# Altium PCB Mainboard.PcbDoc (continued)
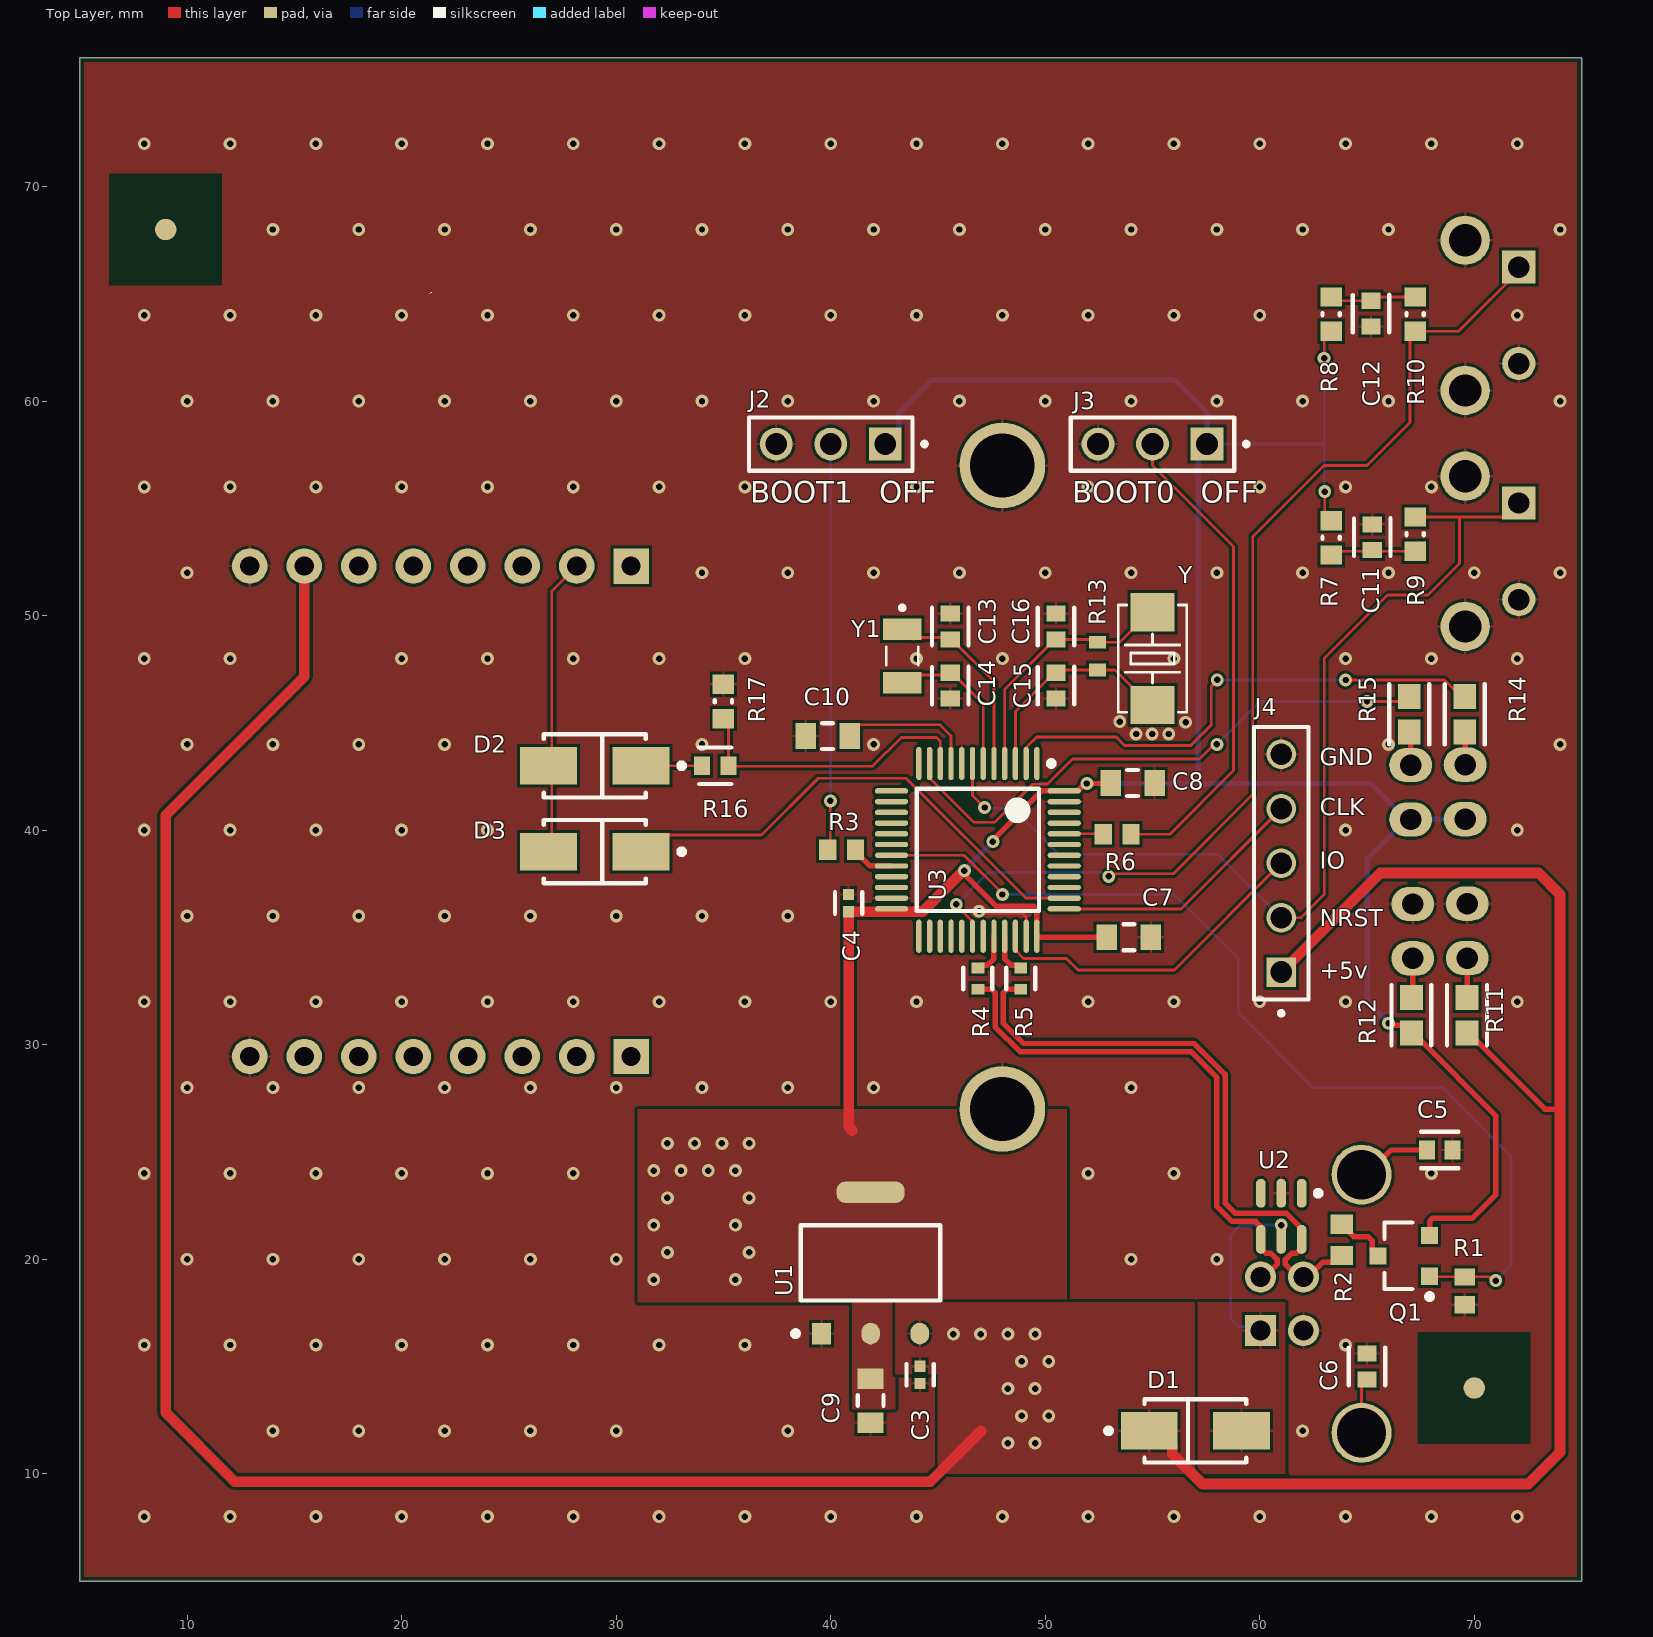
[diagram p0: Top Layer view]
## Components (designator, comment, footprint, x,y, rotation, side; value= is the part's Value field where it differs from the comment) (continued)
U3 "STM32F103C8T6" STM-LQFP48_L 46.86,39.08 r270 top
Y "8MHz" X2-SMD-5.0X3.2X1.3MM 55,48 r90 top
Y1 "32.768KHz" XTAL_NX3215SA-32.768K-STD-MUA-14 43.333,48.112 r270 top

## Footprints (in the part's own frame and the unit in brackets; to place one, negate y for a bottom-side part, rotate by r counter-clockwise, add the part's x,y. Pads: shape width x height; smd on the part's side, far side on the other; paste and mask are expansions set on the pad)
AO-SOT-23-3L_V [mm] "SOT23, 3-Leads, Body 3.1x1.8mm, Pitch 0.95mm"
  rect 0.8x0.8 smd: 1(-1.2,0.95) 2(-1.2,-0.95) 3(1.2,0)
  silkscreen extent -1.33,-1.55 0.9,2.02, body extent -1.5,-1.55 1.5,1.55, height 1.25
ASSM-A-USBSB-4_V [mm] "USB-B, 4-Leads, Body 16.5x12.04mm"
  rect 1.45x1.45 hole 0.92: 1(1.25,2.355)
  round 1.45 hole 0.92: 2(-1.25,2.355) 3(-1.25,0.355) 4(1.25,0.355)
  round 2.8 hole 2.3: 5(6.02,-2.355) 6(-6.02,-2.355)
  silkscreen extent -6.02,-12.63 6.02,4.64, body extent -6.02,-12.63 6.02,3.87, height 11.05
FP-403AE-MFG [mm]
  rect 2.65x1.75 smd paste+0 mask+0: 1(-2.15,0) 2(2.15,0)
  silkscreen extent -2.37,-1.48 4.17,1.48, body extent -2.6,-1.36 2.6,1.36, height 2.5
FP-AMS1117-IPC_C [mm]
  rect 1.004x0.872 smd paste+0 mask+0: 1(-3.295,2.29)
  rrect100% 1.004x0.872 smd paste+0 mask+0: 2(-3.295,0) 3(-3.295,-2.29)
  rrect87% 1.004x3.182 smd paste+0 mask+0: 4(3.295,0)
  silkscreen extent -3.42,-3.25 1.75,3.62, body extent -3.9,-3.35 3.9,3.35, height 0.25
FP-B3F-3122-MFG [mm]
  rect 1.55x1.55 hole 1 paste-2539.97 mask+0: 1(-2.25,-0.075)
  round 1.55 hole 1 paste-2539.97 mask+0: 2(2.25,-0.075)
  round 2.3 hole 1.5 paste-2539.97 mask+0: 3(-3.5,2.425) 4(3.5,2.425)
  silkscreen extent -4.87,-4.43 3.85,4.43, body extent -4.34,-3.93 4.34,3.93, height 7.8
FP-C0402-BB-MFG [mm]
  rect 0.52x0.52 smd paste+0 mask+0: 1(-0.4,0) 2(0.4,0)
  silkscreen extent -0.5,-0.64 0.5,0.64, body extent -0.8,-0.4 0.8,0.4, height 0.25
FP-C0603C-CF-MFG [mm]
  rect 0.75x0.9 smd paste+0 mask+0: 1(-0.6,0) 2(0.6,0)
  silkscreen extent -0.87,-0.85 0.88,0.85, body extent -1.2,-0.6 1.2,0.6, height 0.25
FP-CGA3E-0_3-0_1-IPC_A [mm]
  rect 0.956x1.206 smd paste+0 mask+0: 1(-1.025,0) 2(1.025,0)
  silkscreen extent -0.25,-0.6 0.25,0.6, body extent -2,-1.1 2,1.1, height 0.25
FP-CRCW0603-e3-IPC_C [mm]
  rect 0.735x0.862 smd paste+0 mask+0: 1(-0.615,0) 2(0.615,0)
  silkscreen extent -0.75,-0.85 0.75,0.85, body extent -1.08,-0.58 1.08,0.58, height 0.25
FP-CRCW0603-HPe3-IPC_A [mm]
  rect 1.158x1.062 smd paste+0 mask+0: 1(-0.827,0) 2(0.827,0)
  silkscreen extent -1.41,-0.93 1.41,0.93, body extent -1.91,-1.03 1.91,1.03, height 0.25
FP-OS-CON-SMT-F12-MFG [mm]
  rect 4.4x1.9 smd paste+0 mask+0: 1(-4.35,0) 2(4.35,0)
  silkscreen extent -7.25,-5.25 5.25,5.25, body extent -5.5,-5.15 5.5,5.15, height 12.71
FP-RC0402-0_4-MFG [mm]
  rect 0.5x0.6 smd: 1(-0.5,0) 2(0.5,0)
  silkscreen extent -0.5,-0.67 0.5,0.67, body extent -0.85,-0.4 0.85,0.4, height 0.25
LED_HOLDER [mm]
  oval 1.6x2 hole 1: 1(-0.948,1.286) 2(1.588,1.286) 3(-0.965,-1.254) 4(1.571,-1.254)
  silkscreen extent -2.35,-2.7 2.93,9.05, body extent -1.85,-1.56 2.47,9.17, height 9.65
"MIKROBUS HOST CONN 8gen TH" [mil]
  rect 65x65 hole 35: 1(-450,350) 16(450,350)
  round 65 hole 35: 2(-450,250) 3(-450,150) 4(-450,50) 5(-450,-50) 6(-450,-150) 7(-450,-250) 8(-450,-350) 9(450,-350) 10(450,-250) 11(450,-150) 12(450,-50) 13(450,50) 14(450,150) 15(450,250)
  silkscreen extent -565,-602 535,584, body extent -497,-501 504,401, height 434
NXP-SOT457_L [mm] "SOP, 6-Leads, Body 3.1x1.7mm, Pitch 0.95mm, IPC High Density"
  oval 1.35x0.45 smd: 1(-1.075,0.95) 2(-1.075,0) 3(-1.075,-0.95) 4(1.075,-0.95) 5(1.075,0) 6(1.075,0.95)
  silkscreen extent -1.2,1.6 -0.95,1.85, body extent -0.85,-1.55 0.85,1.55, height 1.1
RESC0603(1608)_N [mm] "Chip Resistor, Body 1.6x0.8mm, IPC Medium Density"
  rect 0.9x1 smd: 1(-0.8,0) 2(0.8,0)
  silkscreen extent -0.05,-0.4 0.05,0.4, body extent -0.85,-0.47 0.85,0.47, height 0.6
RESC1608X55X25LL10T15 [mm] "Chip Resistor, 2-Leads, Body 1.70x0.90mm, IPC High Density"
  rect 0.6x0.8 smd: 1(-0.65,0) 2(0.65,0)
  body extent -0.85,-0.45 0.85,0.45, height 0.55
RESC1608X55X30ML15T15 [mm] "Chip Resistor, 2-Leads, Body 1.60x0.80mm, IPC Low Density"
  rect 0.9x1.05 smd: 1(-0.725,0) 2(0.725,0)
  body extent -0.87,-0.48 0.87,0.48, height 0.55
RESC1609X50X30NL8T20 [mm] "Chip Resistor, 2-Leads, Body 1.65x0.95mm, IPC Medium Density"
  rect 0.8x0.95 smd: 1(-0.65,0) 2(0.65,0)
  body extent -0.82,-0.48 0.82,0.48, height 0.5
SAMTEC_HMTSW-103-XX-X-S-XXX [mm]
  rect 1.53x1.53 hole 1.02: 01(2.54,0)
  round 1.53 hole 1.02: 02(0,0) 03(-2.54,0)
  silkscreen extent -3.81,-1.24 4.47,1.24
SAMTEC_MTSW-105-24-L-S-236 [mm]
  rect 1.37x1.37 / inner round 1.37 / far side rect 1.37x1.37 hole 1.02: 01(5.08,0)
  round 1.37 hole 1.02: 02(2.54,0) 03(0,0) 04(-2.54,0) 05(-5.08,0)
  silkscreen extent -6.35,-1.27 7.1,1.27
STM-LQFP48_L [mm] "QFP, 48-Leads, Body 7x7mm, Pitch 0.5mm, IPC High Density"
  oval 1.55x0.25 smd: 1(-4.025,2.75) 2(-4.025,2.25) 3(-4.025,1.75) 4(-4.025,1.25) 5(-4.025,0.75) 6(-4.025,0.25) 7(-4.025,-0.25) 8(-4.025,-0.75) 9(-4.025,-1.25) 10(-4.025,-1.75) 11(-4.025,-2.25) 12(-4.025,-2.75) 25(4.025,-2.75) 26(4.025,-2.25) 27(4.025,-1.75) 28(4.025,-1.25) 29(4.025,-0.75) 30(4.025,-0.25) 31(4.025,0.25) 32(4.025,0.75) 33(4.025,1.25) 34(4.025,1.75) 35(4.025,2.25) 36(4.025,2.75)
  oval 0.25x1.55 smd: 13(-2.75,-4.025) 14(-2.25,-4.025) 15(-1.75,-4.025) 16(-1.25,-4.025) 17(-0.75,-4.025) 18(-0.25,-4.025) 19(0.25,-4.025) 20(0.75,-4.025) 21(1.25,-4.025) 22(1.75,-4.025) 23(2.25,-4.025) 24(2.75,-4.025) 37(2.75,4.025) 38(2.25,4.025) 39(1.75,4.025) 40(1.25,4.025) 41(0.75,4.025) 42(0.25,4.025) 43(-0.25,4.025) 44(-0.75,4.025) 45(-1.25,4.025) 46(-1.75,4.025) 47(-2.25,4.025) 48(-2.75,4.025)
  silkscreen extent -4.15,-2.85 2.85,3.55, body extent -3.5,-3.5 3.5,3.5, height 1.6
X2-SMD-5.0X3.2X1.3MM [mil]
  rect 70x80 smd: 1(-85,0) 2(85,0)
  silkscreen extent -98,-63 98,63
XTAL_NX3215SA-32.768K-STD-MUA-14 [mm]
  rect 1x1.8 smd: 1(-1.25,0) 2(1.25,0)
  silkscreen extent -2.35,-0.75 0.43,0.75

## Part data
C1 C2: library part CMP-2000-05494-3, "Conductive Polymer Aluminum Solid Capacitors (OS-CON) 330uF ±20% 16V RADIAL SMT 10x12.6mm", Case/Package=Radial, ESR (Equivalent Series Resistance)=16mR, Leakage Current=792uA, Max Operating Temperature=105°C, Min Operating Temperature=-55°C, Package Quantity=400, Ripple Current=4.72A, Tolerance=20%, Voltage=16V, Capacitance=330uF, Construction=Cylindrical, Diameter=10mm, Dissipation Factor=15%, Height=12.6mm, Height - Seated (Max)=0.5inch, Lead Free="Lead Free", Length=12.6mm, Life (Hours)=2000Hour, Material=Polymer, Mount="Surface Mount", Number of Pins=12, Packaging="Tape and Reel", Polarity=Polar, Radiation Hardening=No, REACH SVHC="No SVHC", Ripple Current (AC)=4.72A, RoHS Compliant=Yes, Series="OS-CON™, SVP", Termination=SMD/SMT, Voltage Rating=16V, Voltage Rating (DC)=16V
C3 C4: library part CMP-2008-02046-2, "CAP CER 0.1UF 10V X5R 0402", Capacitance="0.10 μF", Manufacturer=Kemet, Manufacturer Part Number=C0402C104K8PACTU, Package=C0402-BB, Temperature="-55°C to +125°C", Temperature Characteristic=X5R, Temperature Coefficient=15%, Temperature Range High=+125°C, Temperature Range Low=-55°C, Tolerance=0.1, Voltage Rating="10 V", Automotive=No, Category=Cap, ComponentLink2Description=Datasheet, ComponentLink2URL=https://content.kemet.com/datasheets/KEM_C1002_X7R_SMD.pdf, Device Class L1="Passive Components", Device Class L2=Capacitors, Device Class L3="Ceramic Capacitors", Digikey Description="CAP CER 0.1UF 10V X5R 0402", Height=0.55mm, Ipc Land Pattern Name=CAPC10050X50, Lead Free=Yes, Material=Ceramic, Mouser Description="Capacitor 100 nF 10 VDC 0402", Octopart=https://octopart.com/c0402c104k8pactu-kemet-140039, RoHS=TRUE
C5 C6 C13 C14 C15 C16: library part CMP-1035-00783-3, "CAP CER 20PF 50V 5% NP0 0603", Capacitance="20 pF", Manufacturer=KEMET, Manufacturer Part Number=C0603C200J5GACTU, Package=C0603C-CF, Temperature="-55°C to +125°C", Temperature Characteristic=C0G, Temperature Coefficient=30ppm/°C, Temperature Range High=+125°C, Temperature Range Low=-55°C, Tolerance=0.05, Voltage Rating="50 V", Automotive=Yes, Automotive Grade="Grade 1", Category=Cap, ComponentLink2Description=Datasheet, ComponentLink2URL=https://api.kemet.com/component-edge/download/datasheet/C0603C100J5GACAUTO.pdf, Device Class L1="Passive Components", Device Class L2=Capacitors, Device Class L3="Ceramic Capacitors", Digikey Description="CAP CER 20PF 50V 5% NP0 0603", Height=0.87mm, Lead Free=Yes, Material=Ceramic, Mouser Description="Multilayer Ceramic Capacitors MLCC - SMD/SMT 50volts 20pF C0G 5%", Octopart=https://octopart.com/c0603c200j5gactu-kemet-9138585, RoHS=TRUE
C7 C8 C9 C10: library part CMP-2000-07546-2, "Cap Ceramic 100nF 50V X7R 10% Pad SMD 0603 +125°C Automotive T/R", Capacitance=100nF, Case Code (Imperial)=0603, Case Code (Metric)=1608, Dielectric=X7R, Max Operating Temperature=125°C, Min Operating Temperature=-55°C, Package Quantity=1, Ratings=AEC-Q200, Tolerance=10%, Voltage=50V, Case/Package=0603, Composition=Ceramic, Depth=0.8mm, Height=0.8mm, Lead Free="Lead Free", Length=1.6mm, Mount="Surface Mount", Packaging="Tape and Reel", Radiation Hardening=No, REACH SVHC="No SVHC", Termination=SMD/SMT, Thickness=0.035inch, Voltage Rating=50V, Voltage Rating (DC)=50V, Weight=7.1E-05oz, Width=0.8mm
C11 C12: library part CMP-2006-03061-2, "CAP CER 0.1UF 50V X7R 0603", Capacitance="0.10 μF", Manufacturer=KEMET, Manufacturer Part Number=C0603C104K5RACTU, Package=C0603C-CF, Temperature="-55°C to +125°C", Temperature Characteristic=X7R, Temperature Coefficient=30ppm/°C, Temperature Range High=+125°C, Temperature Range Low=-55°C, Tolerance=0.1, Voltage Rating="50 V", Automotive=Yes, Automotive Grade="Grade 1", Category=Cap, ComponentLink2Description=Datasheet, ComponentLink2URL=https://api.kemet.com/component-edge/download/datasheet/C0603C100J5GACAUTO.pdf, Device Class L1="Passive Components", Device Class L2=Capacitors, Device Class L3="Ceramic Capacitors", Digikey Description="CAP CER 0.1UF 50V X7R 0603", Height=0.87mm, Lead Free=Yes, Material=Ceramic, Octopart=https://octopart.com/c0603c104k5ractu-kemet-139244, RoHS=TRUE
D1 D2 D3: library part CMP-2000-04943-2, "DIODE SCHOTTKY 40V 1A SMA", Forward Current=1A, Manufacturer="ON Semiconductor", Max Junction Temp=+125°C, Max Repetitive Reverse Voltage=40V, Max Surge Forward Current=40A, Package=403AE, Peak Reverse Current=0.2mA, Temperature="-65°C to +125°C", Temperature Range Low=-65°C, Automotive=No, Category=Diode, ComponentLink2Description=Datasheet, ComponentLink2URL=https://www.onsemi.com/pub/Collateral/SS19-D.PDF, Device Class L1="Discrete Semiconductors", Device Class L2=Diodes, Device Class L3="Schottky Diodes", Digikey Description="DIODE SCHOTTKY 40V 1A SMA", Height=2.5mm, Lead Free=Yes, Manufacturer Part Number=SS14, Mouser Description="Schottky Diodes & Rectifiers SMA 40V 1.0A", Octopart=https://octopart.com/ss14-on+semiconductor-29205033, RoHS=TRUE, Standoff Height=0.05mm, Temperature Range High=+125°C
J1: library part CMP-2000-05874-1, "Connector Receptacle, USB Type B, Right Angle, -20 to 85 degC, 4-Pin THD, RoHS, Tray", Manufacturer="ASSMANN WSW", Package Description="4-Pin Through Hole Device, Body 16.5 x 12.04 mm", Package Reference=USBSB, Body Orientation=RightAngle, CAD Drawing=3DCADModel, Datasheet URL=https://datasheet.ciiva.com/11731/0900766b80da421f-11731321.pdf, Datasheet Version=12/2009, Gender=Female, Manufacturer URL=http://www.assmann.us/, Mounting Technology=ThroughHole, Mounting Type=ThroughHole, Number of Ports=1, Termination Method=Solder
J2 J3: library part HMTSW-103-XX-X-S-XXX, "Headers & Wire Housings", Package=None, Availability="In Stock", Check_prices=https://www.snapeda.com/parts/HMTSW-103-13-L-S-100/Samtec/view-part/?ref=eda, MF=Samtec, MP=HMTSW-103-13-L-S-100, Price=None, SnapEDA_Link=https://www.snapeda.com/parts/HMTSW-103-13-L-S-100/Samtec/view-part/?ref=snap
J4: Package=None, Availability=Unavailable, MP=MTSW-105-24-L-S-236, Price=None
LD1 LD2: library part DoubleStack_Side_Led_3mm
Q1: library part CMP-2000-05778-1, "P-Channel MOSFET, 30 V, 4 A, -55 to 150 degC, 3-Pin SOT-23-3L, RoHS, Tape and Reel", Continuous Drain Current=4A, Drain-Source On-Volt=30V, Frequency (Max)=NotRequiredMHz, Gate-Source Voltage (Max)=?12V, Manufacturer="Alpha and Omega", Operating Temp Range=-55Cto150C, Operating Temperature Classification=Military, Output Power (Max)=NotRequiredW, Package Description="3-Pin Small Outline Transistor, Body 2.95 x 1.6 mm, Pitch 0.95 mm", Package Reference=SOT-23-3L, Package Type=SOT-23, Power Dissipation=1.4W, Power Gain=NotRequireddB, Channel Mode=Enhancement, Datasheet URL=http://www.aosmd.com/res/data_sheets/AO3401A.pdf, Datasheet Version="Rev. 3, 03/2011", Drain Current (Max)=4A, Drain Efficiency=NotRequired%, Drain-Source On-Res=0.044ohm, Manufacturer URL=http://www.aosmd.com/, Mounting=SurfaceMount, Mounting Technology=SurfaceMount, Noise Figure=NotRequireddB, Number of  Elements=1, Package URL=http://www.aosmd.com/res/packaging_information/SOT-23-3L.pdf, Pin Count=3, Polarity=P, Rad Hardened=No, Type=PowerMOSFET
R1 R3 R6: library part CMP-1666-00005-4, "Chip Resistor, 10 KOhm, +/- 1%, 100 mW, -55 to 155 degC, 0603 (1608 Metric), RoHS, Tape and Reel", Manufacturer="Vishay Semiconductor", Max Operating Temperature="155 degC", Min Operating Temperature="-55 degC", Package Quantity=5000, Voltage Rating="75 V", ComponentLink1Description="Manufacturer URL", ComponentLink1URL=http://www.vishay.com/, ComponentLink2Description=Datasheet, ComponentLink2URL=https://datasheet.ciiva.com/11809/0900766b80d98afc-11809037.pdf, DatasheetVersion=06/2012, Height="0.45 mm", Length="1.55 mm", Mounting Technology="Surface Mount", PackageDescription="2-Pin Surface Mount Device, Body 1.575 x 0.85 mm", PackageReference=0603, Packaging="Tape and Reel", REACH SVHC=Unknown, RoHSCompliant=true
R2: library part CMP-1012-00528-2, Manufacturer=Panasonic, Part Number=ERJ-3EKF1501V
R4 R5: library part CMP-2002-07520-2, Case Code (Imperial)=0402, Max Operating Temperature=155°C, Min Operating Temperature=-55°C, Power Rating=63mW, Resistance=22Ω, Temperature Coefficient=100ppm/°C, Tolerance=1%, Voltage Rating=50V, Case/Package=0402, Composition="Thick Film", Depth=500µm, Height=400µm, Lead Free="Lead Free", Length=1mm, Military Standard=Not, Number of Pins=2, Packaging="Tape & Reel", REACH SVHC=Unknown, RoHS=Compliant, Schedule B="8533210045, 8533210045", Termination=SMD/SMT, Voltage Rating (AC)=50V, Voltage Rating (DC)=50V, Width=500µm
R7 R8 R9 R10 R17: library part CMP-1012-00081-1, "0.1W 5% 0603 (1608 Metric)  SMD", Case-EIA=0603, Case-Metric=1608, Power="0.1 W", Tolerance="5 %", Technology=SMT
R11 R12 R14 R15: library part CMP-02407-003593-1, "RES Thick Film, 220Ω, 1%, 0.33W, 100ppm/°C, 0603", Case Code (Imperial)=0603, Case Code (Metric)=1608, Max Operating Temperature=155°C, Max Power Dissipation=250mW, Min Operating Temperature=-55°C, Package Quantity=5000, Temperature Coefficient=100ppm/°C, Tolerance=1%, Voltage Rating=75V, Case/Package=0603, Composition="Thick Film", Contact Plating=Tin, Depth=0.85mm, Features="Automotive AEC-Q200", Height=0.45mm, Lead Free="Lead Free", Length=1.6mm, Military Standard=Not, Mount="Surface Mount", Number of Terminations=2, Packaging="Tape and Reel", Power Rating=250mW, Radiation Hardening=No, Resistance=220R, Termination=SMD/SMT, Voltage Rating (DC)=75V, Weight=7.1E-05oz, Width=0.033inch
R13: library part CMP-1659-00056-1, "Chip Resistor, 1 MOhm, +/- 1%, 100 mW, -55 to 155 degC, 0603 (1608 Metric), RoHS, Tape and Reel", Capacitance="1 mF", Case\Package=Radial, Max Operating Temperature="85 degC", Min Operating Temperature="-40 degC", Package Quantity=200, Tolerance=20%, Voltage Rating="25 V", ComponentLink1Description="Manufacturer URL", ComponentLink1URL=http://www.yageo.com/, ComponentLink2Description=Datasheet, ComponentLink2URL=http://www.yageo.com/documents/recent/PYu-RC_Group_51_RoHS_L_04.pdf, DatasheetVersion="Rev. 4, 02/2016", Diameter="10 mm", Height="20 mm", Lead Pitch="5 mm", Length="20 mm", Mount="Through Hole", PackageDescription="2-Pin Surface Mount Device, Body 1.6 x 0.8 mm", PackageReference=0603, Packaging=Bulk, Radiation Hardening=No, REACH SVHC="No SVHC", RoHSCompliant=true, Voltage Rating (DC)="25 V", Width="0 inch"
R16: library part CMP-1012-00590-3, "RES Thick Film, 5.1kΩ, 1%, 0.1W, 100ppm/°C, 0603", Case Code (Imperial)=0603, Case Code (Metric)=1608, Max Operating Temperature=155°C, Min Operating Temperature=-55°C, Package Quantity=5000, Power Rating=100mW, Resistance=5.1kR, Temperature Coefficient=100ppm/°C, Tolerance=1%, Voltage Rating=75V, Case/Package=0603, Composition="Thick Film", Contact Plating=Tin, Depth=0.85mm, Height=0.45mm, Lead Free="Lead Free", Length=1.55mm, Military Standard=Not, Mount="Surface Mount", Packaging="Tape and Reel", Radiation Hardening=No, Termination=SMD/SMT, Voltage Rating (DC)=75V, Weight=7.1E-05oz, Width=0.85mm
SW1 SW2: library part CMP-08834-000053-1, "SWITCH TACTILE SPST-NO 0.05A 24V", Actuator Color=Grey, Contact Current Rating=50mA, Contact Resistance=100mR, Max Operating Temperature=70°C, Max Voltage Rating (DC)=24V, Min Operating Temperature=-25°C, Operating Force=1.47N, Package Quantity=1000, Ratings=IP00, Actuator Length=1.6mm, Actuator Type=Standard, Contact Material=Gold, Contact Plating=Gold, Current Rating=50mA, Depth=7.85mm, Electrical Life=300000Cycles, Height=7.4mm, Illumination Type=Non-Illuminated, Lead Free="Lead Free", Length=7.3mm, Max Current Rating=50mA, Mechanical Life=300000Cycles, Mount="Through Hole", Number of Poles=1, Orientation="Right Angle", Packaging=Bulk, Radiation Hardening=No, RoHS Compliant=Yes, Series=B3F, Switch Function=Off-Mom, Switch Travel=0.25mm, Termination="PC Pins", Throw Configuration=SPST, Voltage Rating (DC)=24V, Weight=0.25g, Width=6.25mm
U1: library part CMP-209535-000001-1, "LDO Voltage Regulators 1A, 3.3V", Dropout Voltage=1.1V, Manufacturer="Advanced Monolithic Systems", Max Junction Temp=+125°C, Max Power Dissipation=1.2W, Max Supply Voltage=15V, Nominal Supply Current=5mA, Output Current=1A, Output Voltage=3.3V, Package=AMS1117, Temperature="-40°C to +125°C", Temperature Range Low=-40°C, Automotive=No, Category=IC, ComponentLink2Description=Datasheet, ComponentLink2URL=http://www.advanced-monolithic.com/pdf/ds1117.pdf, Device Class L1="Integrated Circuits (ICs)", Device Class L2="Power Management ICs", Device Class L3="Voltage Regulators - Linear", Height=1.8mm, Ipc Land Pattern Name=SOT229P700X180-4, Lead Free=Yes, Manufacturer Part Number=AMS1117-3.3, Number Of Outputs=1, Octopart=https://octopart.com/ams1117-3.3-advanced+monolithic+systems-25899300, Output Type=Fixed, RoHS=TRUE, Standoff Height=0.64mm, Temperature Range High=+125°C
U2: library part CMP-2000-06457-1, "Dual USB 2.0 integrated ESD protection, 0 to 5.5 V, -40 to 85 degC, 6-Pin TSOP (SOT457), RoHS, Tape and Reel", Capacitance Value=1.2pF, ESD Protection Voltage=8KV@ContactDisc, Leakage Current=0.1uA, Manufacturer="NXP Semiconductors", Operating Temperature Max Deg. C=85C, Operating Temperature Min Deg. C=-40C, Package / Case=TSOP, Package Description="6-Pin Thin Small Outline Package, Body 2.9 x 1.5 mm, Pitch 0.95 mm", Package Reference=SOT457, Package Version="06-03-16, 03/2006", PartNumber=IP4220CZ6, Working Voltage=5.5V, Configuration=Quad, Datasheet URL=http://cache.nxp.com/documents/data_sheet/IP4220CZ6.pdf, Datasheet Version="Rev. 5, 07/2011", Direction Type=Uni-Directional, Leakage Current (Max)=0.1uA, Manufacturer URL=http://www.nxp.com/, Mounting Style=SurfaceMount, Mounting Technology=SurfaceMount, Number of Channels=4, Package URL=http://www.nxp.com/documents/outline_drawing/sot457_po.pdf, Packaging=TapeandReel, Pin Count=6, Product Depth (mm)=1.7mm, Product Height (mm)=1mm, Product Length (mm)=3.1mm, Rad Hardened=No, Suppressor Type=DiodeArrays, VF=0.7V, VIN Max=5.5V, VIN Min=0V, Working Voltage (Max)=5.5V
U3: library part CMP-0237-00215-3, "ARM Cortex-M3 32-bit MCU, 64 KB Flash, 20 KB Internal RAM, 37 I/Os, 48-pin LQFP, -40 to 85 degC, Tray", I/Os (High Current)=37, Operating Frequency(F) (Processor speed) (MHz)=72, Supply Voltage(Vcc) min (V)=2, A/D Converter="2x12-bit (10 Channel)", ComponentLink1Description="Manufacturer URL", ComponentLink1URL=http://www.st.com/web/en/home.html, ComponentLink2Description=Datasheet, ComponentLink2URL=http://www.st.com/st-web-ui/static/active/en/resource/technical/document/datasheet/CD00161566.pdf, ComponentLink3Description="Package Specification", ComponentLink3URL=http://www.st.com/st-web-ui/static/active/en/resource/technical/document/datasheet/DM00058181.pdf, Core="ARM Cortex-M3", DatasheetVersion="Rev. 16", FLASH Size (Prog) (kB)=64, Internal RAM Size (kB)=20, Mounting Technology="Surface Mount", PackageDescription="48-Pin Low Profile Quad Flat Package, 7 x 7 mm Body, 0.5 mm Pitch", PackageReference=LQFP48, PackageVersion="Rev. 6, 06/2013", Packing=Tray, PartNumber=STM32F103C8T6
Y: library part SMD-CRYSTAL-8MHZ-20PF-20PPM(2P-5.0X3.2MM), "SMD Crystal 8MHz-20pF-20ppm;", Package=None, Availability=Unavailable, MF=Xinhunjing, MP=5032/4P, Price=None, SnapEDA_Link=https://www.snapeda.com/parts/5032/4P/Xinhunjing/view-part/105660/?ref=snap
Y1: library part NX3215SA-32.768K-STD-MUA-14, "32.768kHz Â±20ppm Crystal 6pF 70 kOhms 2-SMD, No Lead  MANUFACTURER: NIHON DEMPA KOGYO", Package=None, Availability=Unavailable, MP=NX3215SA-32.768K-STD-MUA-14, Price=None

## Free pads (board coordinates)
  round 4 hole 3: 2(48,27) 2(48,57)
  round 1 smd mask+2: 3(9,68) 3(70,14)

## Via types
v1: diameter 0.6, hole 0.3, Top Layer to Bottom Layer, tented both sides, 250 vias

## Nets (pads, with @x,y where several pads share a name; then routed paths per layer and width w, separated by ;. In a path a pad name is that pad's centre, name@x,y a point inside that pad or via, vN(x,y) a via of type N, cw(c..) or ccw(c..) an arc to the next point about the centre after c; other vN are vias at no path point)
+3v3: C2.2 C4.1 C7.1 C8.1 C9.1 J2.01 J3.01 LD2.1 LD2.3 Q1.2 R7.2 R8.2 R12.2 U1.2 U1.4 U3.24 U3.36 U3.48 | length 125.9
  Top Layer w0.127: v1(63,62) 63,62.926 R8.2 ; v1(63.032,55.784) 63.032,54.728 R7.2
  Top Layer w0.254: v1@46.228,38.023 v1(46.228,38.117) ; 46.367,37.801 47.722,36.446 49.46,36.446 49.611,36.295 U3.36@49.611,35.703 ; v1(47.557,39.467) 47.557,39.551 49.837,41.83 U3.48 51.53,41.83 51.532,41.832 51.532,41.851 51.856,42.175 v1(51.94,42.175) 53.019,42.175 C8.1 ; U3.36@49.627,35.047 49.667,35.008 C7.1 ; v1(66,31) 66.094,31 66.193,30.9 66.794,30.9 67.067,30.627 67.167,30.627 67.44,30.355 67.44,30.255 71,26.695 71,23 69.917,21.917 68.062,21.917 67.914,21.768 Q1.2 ; LD2.3 LD2.3@67.041,40.506 ; LD2.1@69.564,40.506 LD2.1
  Top Layer w0.5: 41,26 40.835,26.165 C4.1 43.894,36.199 43.902,36.207 44.286,36.207 v1@46.146,38.067
  Bottom Layer w0.127: J3.01 63.01,58 ; v1(63,62) 63.01,61.991 63.01,58 ; v1(63.032,55.784) 63.01,55.806 63.01,58
  Bottom Layer w0.254: J2.01 43.178,58.638 43.178,59.449 44.729,61 56,61 57.54,59.46 J3.01 57.134,57.594 57.134,42.175 ; v1(46.228,38.117) 46.228,38.138 v1(47.557,39.467) ; v1(51.94,42.175) 57.134,42.175 ; v1(66,31) 65,32 65,38.665 LD2.3@66.833,40.498 ; LD2.1 69.564,40.506 67.041,40.506 LD2.3 LD2.3@66.833,40.498 ; 57.134,42.175 65.155,42.175 LD2.3@66.833,40.498
  other v1: 31.75,19.05 35.56,19.05 32.385,20.32 36.195,20.32 31.75,21.59 35.56,21.59 32.385,22.86 36.195,22.86 31.75,24.13 33.02,24.13 34.29,24.13 35.56,24.13 32.385,25.4 33.655,25.4 34.925,25.4 36.195,25.4
+5: C1.2 C3.1 D1.2 J4.01 MIKROBUS1.10 R11.2 U1.3 | length 150.7
  Top Layer w0.254: R11.2@69.659,30.627 69.759,30.627 70.032,30.355 70.032,30.255 73.286,27 74,27
  Top Layer w0.5: MIKROBUS1.10 15.46,47.155 9,40.695 9,12.852 12.223,9.629 44.635,9.629 47.004,11.997 ; D1.2 55.3,12 55.925,11.375 55.925,10.925 57.33,9.52 72.52,9.52 74,11 74,27 74,37 73,38 65.62,38 J4.01
  other v1: 48.26,11.43 49.53,11.43 48.895,12.7 50.165,12.7 48.26,13.97 49.53,13.97 48.895,15.24 50.165,15.24 45.72,16.51 46.99,16.51 48.26,16.51 49.53,16.51
BOOT0: R6.1 U3.44 | length 1.8
  Top Layer w0.127: U3.44 52.698,39.83 R6.1@52.701,39.827
BOOT1: R3.1 U3.20 | length 2
  Top Layer w0.254: R3.1 41.16,39.005 41.832,38.332 42.832,38.332 U3.20
D_N: R4.2 U3.32 | length 2
  Top Layer w0.254: R4.2 46.983,33.703 47.307,33.703 47.61,34.006 U3.32
D_P: R5.2 U3.33 | length 2
  Top Layer w0.254: U3.33 48.112,35.053 48.112,33.997 48.406,33.703 48.737,33.703 R5.2
GND: C1.1 C2.1 C3.2 C4.2 C5.2 C6.2 C7.2 C8.2 C9.2 C10.2 C11.2 C12.2 C13.2 C14.2 C15.2 C16.2 J1.4 J2.03 J3.03 J4.05 LD1.2 LD1.4 MIKROBUS1.8 MIKROBUS1.9 pad.2 R1.2 R17.1 SW1.2 SW1.3 SW1.4 SW2.2 SW2.3 SW2.4 U1.1 U2.2 U3.8 U3.23 U3.35 U3.47 | length 3.2
  Top Layer w0.127: v1(46.917,36.223) 47.008,36.132 47.218,36.132 47.228,36.122 48.952,36.122 49.11,35.965 U3.35
  other v1: 8,8 12,8 16,8 20,8 24,8 28,8 32,8 36,8 40,8 44,8 48,8 52,8 56,8 60,8 64,8 68,8 72,8 14,12 18,12 22,12 26,12 30,12 38,12 62,12 8,16 12,16 16,16 20,16 24,16 28,16 32,16 36,16 64,16 10,20 14,20 18,20 22,20 26,20 30,20 54,20 58,20 8,24 12,24 16,24 20,24 24,24 28,24 52,24 56,24 68,24 10,28 14,28 18,28 22,28 26,28 30,28 34,28 38,28 42,28 54,28 8,32 12,32 16,32 20,32 24,32 28,32 32,32 36,32 40,32 44,32 52,32 56,32 60,32 64,32 72,32 10,36 14,36 18,36 22,36 26,36 30,36 34,36 38,36 8,40 12,40 16,40 20,40 24,40 64,40 72,40 10,44 14,44 18,44 22,44 34,44 42,44 66,44 74,44 54.237,44.484 54.982,44.484 55.756,44.484 56.54,45.03 53.473,45.06 8,48 12,48 20,48 24,48 28,48 32,48 36,48 44,48 48,48 56,48 64,48 68,48 72,48 10,52 34,52 38,52 42,52 46,52 50,52 54,52 58,52 62,52 66,52 70,52 74,52 8,56 12,56 16,56 20,56 24,56 28,56 32,56 36,56 44,56 52,56 60,56 64,56 68,56 10,60 14,60 18,60 22,60 26,60 30,60 34,60 38,60 42,60 46,60 50,60 54,60 58,60 62,60 66,60 74,60 8,64 12,64 16,64 20,64 24,64 28,64 32,64 36,64 40,64 44,64 48,64 52,64 56,64 60,64 72,64 14,68 18,68 22,68 26,68 30,68 34,68 38,68 42,68 46,68 50,68 54,68 58,68 62,68 66,68 74,68 8,72 12,72 16,72 20,72 24,72 28,72 32,72 36,72 40,72 44,72 48,72 52,72 56,72 60,72 64,72 68,72 72,72
INTERRUPT: D2.1 D3.1 MIKROBUS1.15 | length 13.9
  Top Layer w0.127: D3.1 27,39.15 27,51.151 MIKROBUS1.15
MAIN_OSC_IN: C15.1 R13.1 U3.5 Y.1 | length 10.3
  Top Layer w0.127: 48.61,43.105 48.61,45.522 50.55,47.462 R13.1 53.252,47.462 54.873,45.841 Y.1
MAIN_OSC_OUT: C16.1 R13.2 U3.6 Y.2 | length 11.5
  Top Layer w0.127: 48.11,43.105 48.11,46.548 C16.1@50.112,48.551 ; C16.1 52.312,48.891 R13.2 53.476,48.762 54.873,50.159 Y.2 ; C16.1@50.564,48.81 C16.1@50.639,48.81
NetC5_1: C5.1 J1.6 | length 3.8
  Top Layer w0.254: J1.6 64.972,23.945 66.118,25.091 C5.1 ; J1.6@64.746,24.945 J1.6@64.923,24.768
NetC6_1: C6.1 J1.5 | length 2.6
  Top Layer w0.127: J1.5 64.746,14.146 C6.1
NetC10_1: C10.1 U3.9 | length 6.5
  Top Layer w0.127: C10.1 40.879,44.496 41.294,44.911 45.094,44.911 45.61,44.395 U3.9
NetC11_1: C11.1 R7.1 R9.2 | length 4.1
  Top Layer w0.127: R7.1 63.499,53.001 R9.2
  Top Layer w0.254: R9.2@67.188,53.056 R9.2
NetC12_1: C12.1 R8.1 R10.2 | length 4.1
  Top Layer w0.127: R8.1 63.504,64.681 C12.1 65.356,64.856 R10.2
NetD2_2: D2.2 R16.1 | length 2.8
  Top Layer w0.127: D2.2 R16.1
NetJ2_02: J2.02 R3.2 | length 19
  Top Layer w0.127: v1(39.984,41.367) 39.984,39.237 R3.2@40,39.221
  Top Layer w0.254: R3.2 R3.2@40,39.221
  Bottom Layer w0.127: v1(39.984,41.367) 39.992,41.375 39.992,57.992 J2.02
NetJ3_02: J3.02 R6.2 | length 22.8
  Top Layer w0.127: R6.2 55.81,39.81 58.777,42.777 58.777,53.223 55,57 J3.02
NetLD1_1: LD1.1 R11.1 | length 1.9
  Top Layer w0.254: R11.1@69.659,32.127 69.673,32.141 LD1.1
NetLD1_3: LD1.3 R12.1 | length 1.9
  Top Layer w0.254: R12.1@67.067,32.127 67.133,32.193 LD1.3
NetLD2_2: LD2.2 R14.1 | length 1.6
  Top Layer w0.254: R14.1@69.559,44.647 69.573,44.633 LD2.2
NetLD2_4: LD2.4 R15.1 | length 1.8
  Top Layer w0.254: LD2.4@66.833,43.034 LD2.4 67.033,44.581 R15.1@66.967,44.647
NetQ1_3: Q1.3 R2.2 | length 2.6
  Top Layer w0.254: R2.2 63.891,21.625 64.213,21.302 64.213,21.227 64.387,21.053 65.057,21.053 65.241,20.87 65.241,20.43 Q1.3
NRST: J4.02 R9.1 SW1.1 U3.7 | length 47.4
  Top Layer w0.127: U3.7 46.61,41.622 v1(47.176,41.055) ; J4.02 61.92,35.92 63,37 63,48 65.961,50.961 67.835,50.961 69.311,52.436 69.311,54.601 ; R9.1 68.337,54.601 69.311,54.601 ; SW1.1@72.244,55.556 71.289,54.601 69.311,54.601
  Bottom Layer w0.127: v1(47.176,41.055) 47.218,41.013 48.504,41.013 50.644,38.873 58.047,38.873 J4.02
PA2: U3.12
PA3: U3.13
PA4: U3.14
PA5: U3.15
PA6: U3.16
PA7: U3.17
PA8: U3.29
PA10: U3.31
PB0: U3.18
PB3: U3.39
PB4: U3.40
PB5: U3.41
PB6: U3.42
PB7: U3.43
PB8: U3.45
PB9: U3.46
PB10: U3.21
PB11: U3.22
PB12: U3.25
PB13: U3.26
PB14: U3.27
PB15: U3.28
RTC_OSC_IN: C13.1 U3.3 Y1.1 | length 9.1
  Top Layer w0.127: Y1.1@43.477,49.282 Y1.1@43.862,48.898 ; Y1.1@43.721,48.978 C13.1@45.481,48.978 ; C13.1@45.621,48.898 45.709,48.81 C13.1@45.784,48.81 ; C13.1@45.643,48.891 47.61,46.924 47.61,43.105
RTC_OSC_OUT: C14.1 U3.4 Y1.2 | length 7.3
  Top Layer w0.127: Y1.2@43.337,46.862 43.737,46.862 44.11,47.235 45.467,47.235 C14.1 45.646,47.339 47.11,45.876 47.11,43.105
SWCLK: J4.04 U3.37 | length 12.1
  Top Layer w0.127: U3.37@50.872,36.374 50.916,36.33 56.33,36.33 J4.04
SWDIO: J4.03 U3.34 | length 15.5
  Top Layer w0.127: U3.34 48.61,34.405 48.994,34.021 50.979,34.021 51.522,33.478 56.018,33.478 J4.03
TIM2_ETR: D3.2 U3.38 | length 23.5
  Top Layer w0.127: D3.2 31.929,39.779 36.779,39.779 39.42,42.42 43.51,42.42 49.096,36.834 U3.38@50.88,36.834
"USB FS EN": Q1.1 R1.1 U3.19 | length 45.4
  Top Layer w0.127: U3.19 46.208,38.83 48,37.039 v1(48,37) ; Q1.1@68.133,19.427 68.133,19.295 68.25,19.178 R1.1 70.694,19.178 70.872,19 v1(71,19)
  Bottom Layer w0.127: v1(48,37) 56,37 59,34 59,31.468 62.468,28 68.506,28 71.709,24.797 71.709,19.709 v1(71,19)
USB_D_N: J1.2 R4.1 U2.4 | length 25.4
  Top Layer w0.254: R4.1 47.52,32.58 47.669,32.431 47.669,30.836 48.83,29.675 56.786,29.675 58,28.461 58,22.461 58.696,21.765 59.803,21.765 60.013,21.555 60.013,20.962 U2.4 60.05,20.528 60.301,20.277 60.52,20.277 60.809,19.988 60.809,19.756 60.229,19.175 J1.2
USB_D_P: J1.3 R2.1 R5.1 U2.6 | length 29.1
  Top Layer w0.254: R5.1 48.199,32.58 48.05,32.431 48.05,30.994 48.988,30.056 56.944,30.056 58.381,28.619 58.381,22.619 58.854,22.146 59.961,22.146 59.967,22.14 60.764,22.14 60.77,22.146 61.23,22.146 61.95,21.425 61.95,20.528 61.699,20.277 61.48,20.277 61.191,19.988 61.191,19.756 61.771,19.175 J1.3 62.246,19.175 62.924,19.852 63.493,19.852 R2.1
"USER LED 1": R14.2 U3.2 | length 24.2
  Top Layer w0.127: U3.2 49.133,43.129 49.133,43.873 49.603,44.343 53.311,44.343 53.704,43.949 56.782,43.949 57.737,44.905 57.737,46.695 58.017,46.975 v1(58.017,47.003) ; v1(64,47) 68.606,47 69.459,46.147 R14.2@69.559,46.147
  Bottom Layer w0.127: v1(58.017,47.003) 58.019,47.001 63.999,47.001 v1(64,47)
"USER LED 2": R15.2 U3.11 | length 26.3
  Top Layer w0.127: U3.11 44.61,42.437 46.683,40.363 47.64,40.363 49.417,42.14 49.697,42.14 49.705,42.148 50.106,42.148 51.281,43.323 57.195,43.323 57.872,44 v1(58,44) ; v1(65,46) 66.821,46 R15.2@66.967,46.147
  Bottom Layer w0.127: v1(58,44) 60,46 v1(65,46)
USR_BTN: R10.1 SW2.1 U3.30 | length 50.1
  Top Layer w0.127: v1(45.852,36.539) 45.852,36.496 46.61,35.739 U3.30 ; v1(52.962,37.847) 53.053,37.938 53.245,37.938 53.273,37.966 55.966,37.966 59.67,41.67 59.67,53.67 63,57 65,57 67,59 67,63.011 R10.1 69.269,63.256 SW2.1@72.319,66.306
  Bottom Layer w0.127: v1(45.852,36.539) 47.336,38.023 52.658,38.023 52.834,37.847 v1(52.962,37.847)
VBUS: D1.1 J1.1 U2.5 | length 8.8
  Top Layer w0.127: U2.5 v1(61,21.592)
  Bottom Layer w0.127: J1.1 59.849,16.862 59.004,16.862 58.631,17.234 58.631,21.133 59.09,21.592 v1(61,21.592)
WKUP: R16.2 R17.2 U3.10 | length 13.8
  Top Layer w0.127: R17.2 35.231,44.969 R16.2 35.247,42.984 41.958,42.984 43.29,44.317 44.93,44.317 45.11,44.138 U3.10
pads on no net: MIKROBUS1.1 MIKROBUS1.2 MIKROBUS1.3 MIKROBUS1.4 MIKROBUS1.5 MIKROBUS1.6 MIKROBUS1.7 MIKROBUS1.11 MIKROBUS1.12 MIKROBUS1.13 MIKROBUS1.14 MIKROBUS1.16 U2.1 U2.3 U3.1

## Polygon pours and split planes (outlines as drawn)
GND on Top Layer "NONET_L01_P-001" (solid, pour order 8): 74.783,76 74.783,5 5,5 5,76
+5 on Top Layer "NONET_L01_P-001" (solid, pour order 1): 57,18 57,10 45,10 45,14.631 43,14.631 43,18
VBUS on Top Layer "NONET_L01_P-001" (solid, pour order 0): 61.186,18 61.186,10 57.113,10 57.113,18
+3v3 on Top Layer "NONET_L01_P-001" (solid, pour order 4): 43,18 43,13 41,13 41,18 31,18 31,27 51,27 51,18
GND on Bottom Layer "NONET_L01_P-001" (solid, pour order 7): 74.783,76 74.783,5 5,5 5,76
+5 on Bottom Layer "NONET_L01_P-001" (solid, pour order 6): 45,18 45,10 51,10 51,18
+3v3 on Bottom Layer "NONET_L01_P-001" (solid, pour order 5): 31,27 31,18 37,18 37,27

## Other copper
Top Layer:
  pour cut-out: 6.375,70.607 6.375,65.397 11.602,65.397 11.602,70.607
  pour cut-out: 67.375,16.607 67.375,11.397 72.602,11.397 72.602,16.607

## Silkscreen, mask and mechanical layers (free items; w line width, h text height)
Top Overlay:
  region: 21.31,65.028 21.321,65.028 21.321,65.023 21.31,65.023
  region: 21.288,65.017 21.294,65.017 21.294,65.012 21.288,65.012
  region: 21.278,65.007 21.278,65.012 21.283,65.012 21.283,65.007
  region: 21.272,65.001 21.267,65.001 21.267,65.007 21.272,65.007
  region: 21.305,65.017 21.299,65.017 21.299,65.023 21.305,65.023
  region: 21.348,65.044 21.353,65.044 21.353,65.039 21.348,65.039
  region: 21.337,65.039 21.342,65.039 21.342,65.034 21.337,65.034
  region: 21.326,65.034 21.332,65.034 21.332,65.028 21.326,65.028
  region: 21.229,64.985 21.229,64.99 21.234,64.99 21.234,64.985
  region: 21.386,65.066 21.396,65.066 21.396,65.061 21.386,65.061 21.386,65.055 21.375,65.055 21.375,65.061 21.386,65.061
  region: 21.364,65.044 21.353,65.044 21.353,65.05 21.364,65.05 21.364,65.055 21.375,65.055 21.375,65.05 21.364,65.05
  region: 15.683,66.562 15.689,66.562 15.689,66.556 15.683,66.556
  region: 15.689,66.551 15.694,66.551 15.694,66.546 15.689,66.546
  region: 15.683,66.567 15.683,66.562 15.678,66.562 15.678,66.567
  region: 15.699,66.54 15.694,66.54 15.694,66.546 15.699,66.546
  text "BOOT1" at 36.254,55.254 h1
  text "OFF" at 42.254,55.254 h1
  text "BOOT0" at 51.254,55.254 h1
  text "OFF" at 57.254,55.254 h1
  text "GND" at 62.805,43.019 h0.8
  text "CLK" at 62.805,40.705 h0.8
  text "IO" at 62.805,38.194 h0.8
  text "NRST" at 62.805,35.522 h0.8
  text "+5v" at 62.805,33.065 h0.8
Bottom Overlay:
  circle w0.254: c11.519,19.941 r1.414
  lines w0.127: 6.867,19.838 cw(c9.568,20.935) 8.068,23.435 10.068,21.435 ; 6.891,19.848 9.634,19.848 ; 11.492,21.944 11.492,24.944 ; 11.506,15.301 11.519,17.941 ; 11.519,24.941 cw(c12.519,21.941) 15.519,22.941 13.519,20.941 ; 13.507,19.994 27,20
  text "BOOT1" at 39.746,55.254 h1
  text "OFF" at 44.746,55.254 h1
  text "BOOT0" at 55.746,55.254 h1
  text "OFF" at 59.746,55.254 h1
  text "GND" at 62.29,43.162 h0.8
  text "CLK" at 62.29,40.539 h0.8
  text "IO" at 62.29,38.162 h0.8
  text "NRST" at 62.29,35.426 h0.8
  text "+5v" at 62.29,32.93 h0.8
  text "ROS COMPATIBLE" at 27.062,18.634 h0.8
  text "RADIATION SENSOR" at 27.072,17.38 h0.8
  text "'.ModifiedDate'" at 27.161,15.095 h1.2
  text "ARTEM HORIUNOV" at 27.036,13.211 h1
  text "DEISGNED IN POLAND" at 27.036,11.211 h1
  text "MANUFACTURED IN CHINA" at 26.972,9.273 h1
Top Solder:
  region: 75,76 75,72 5,72 5,76
  region: 75,9 75,5 5,5 5,9
Bottom Solder:
  region: 5,76 5,72 75,72 75,76
  region: 75,9 75,5 5,5 5,9

## Text inside footprints (layer, text, board x,y; h text height)
MIKROBUS1: Bottom Overlay "PWM" at 30.034,46.216 h1.78 r270; Bottom Overlay "AN" at 30.034,32.226 h1.78 r270; Bottom Overlay "+5V" at 14.794,47.085 h1.78 r270; Bottom Overlay "GND" at 12.254,46.501 h1.78 r270; Bottom Overlay "TX" at 22.414,47.877 h1.78 r270; Bottom Overlay "RX" at 24.954,47.788 h1.78 r270; Bottom Overlay "INT" at 27.494,47.479 h1.78 r270; Bottom Overlay "SCL" at 19.874,46.894 h1.78 r270; Bottom Overlay "GND" at 12.254,32.226 h1.78 r270; Bottom Overlay "+3.3V" at 14.794,32.226 h1.78 r270; Bottom Overlay "MOSI" at 17.334,32.226 h1.78 r270; Bottom Overlay "SCK" at 22.414,32.226 h1.78 r270; Bottom Overlay "MISO" at 19.874,32.226 h1.78 r270; Bottom Overlay "CS" at 24.954,32.226 h1.78 r270; Bottom Overlay "RST" at 27.494,32.226 h1.78 r270; Bottom Overlay "SDA" at 17.334,46.661 h1.78 r270